# Altium PCB AMS_Remote_Module_A1.PcbDoc (part 1 of 3) (continued)
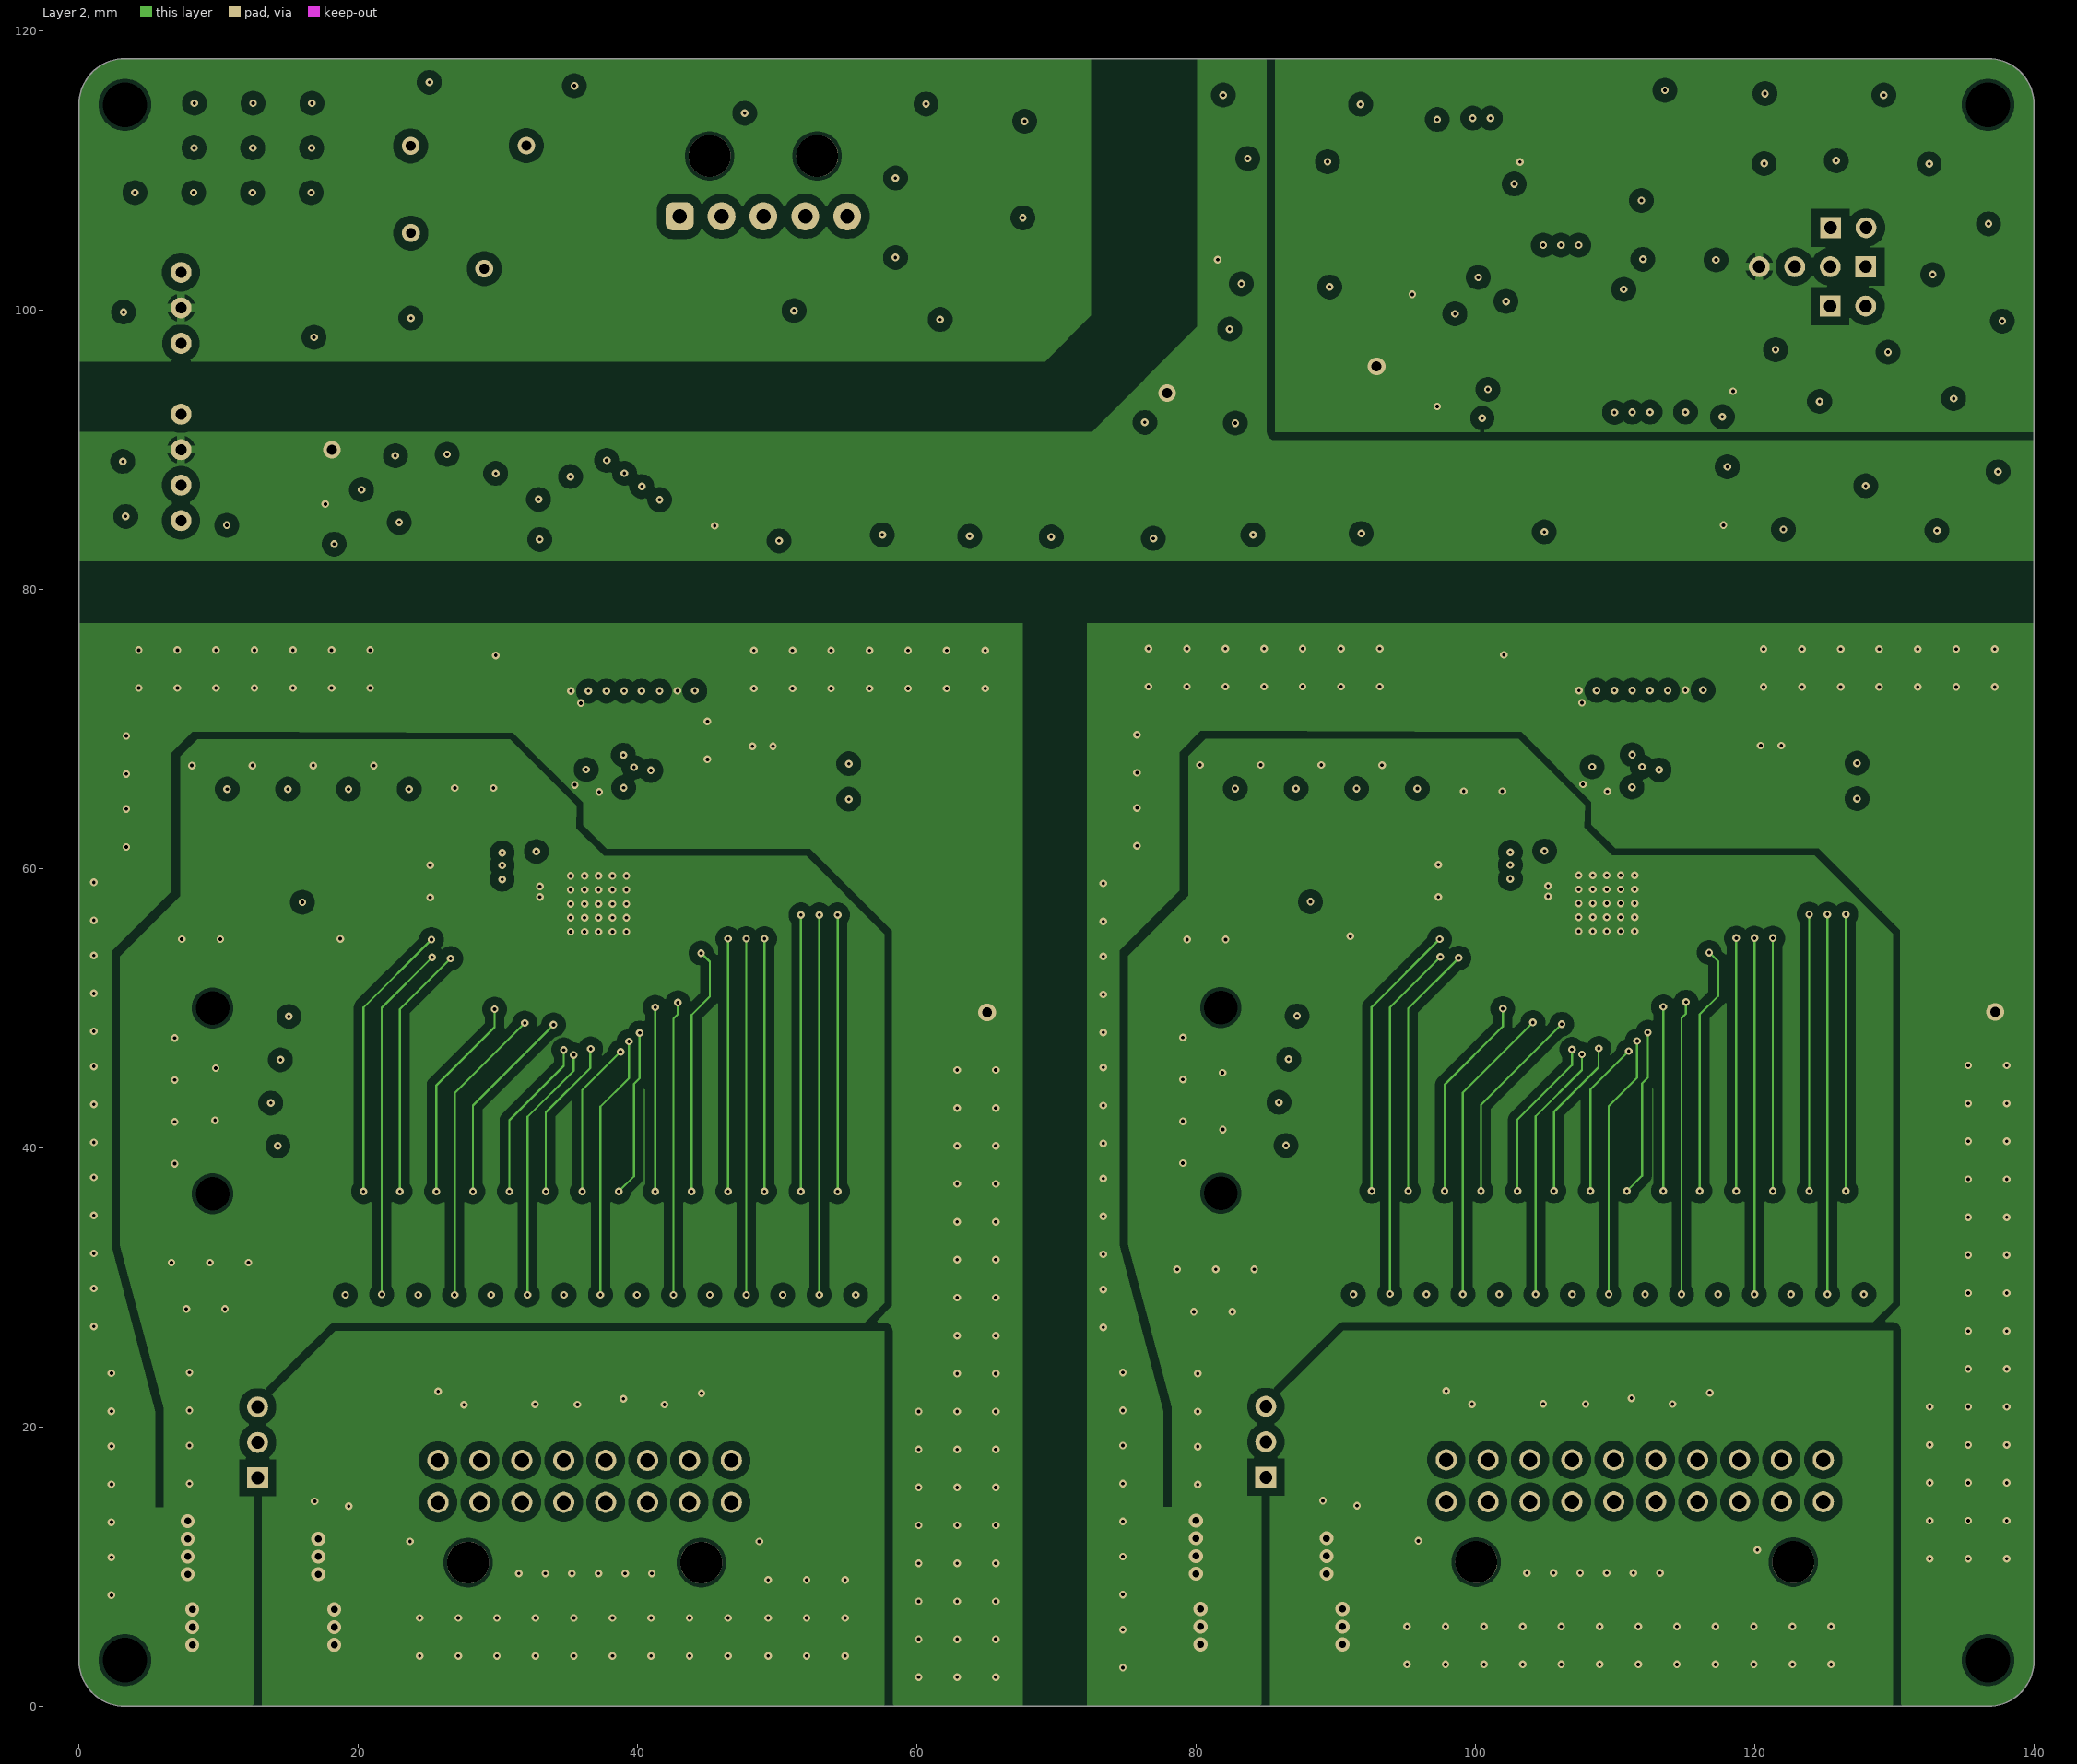
[diagram p3: Layer 2]
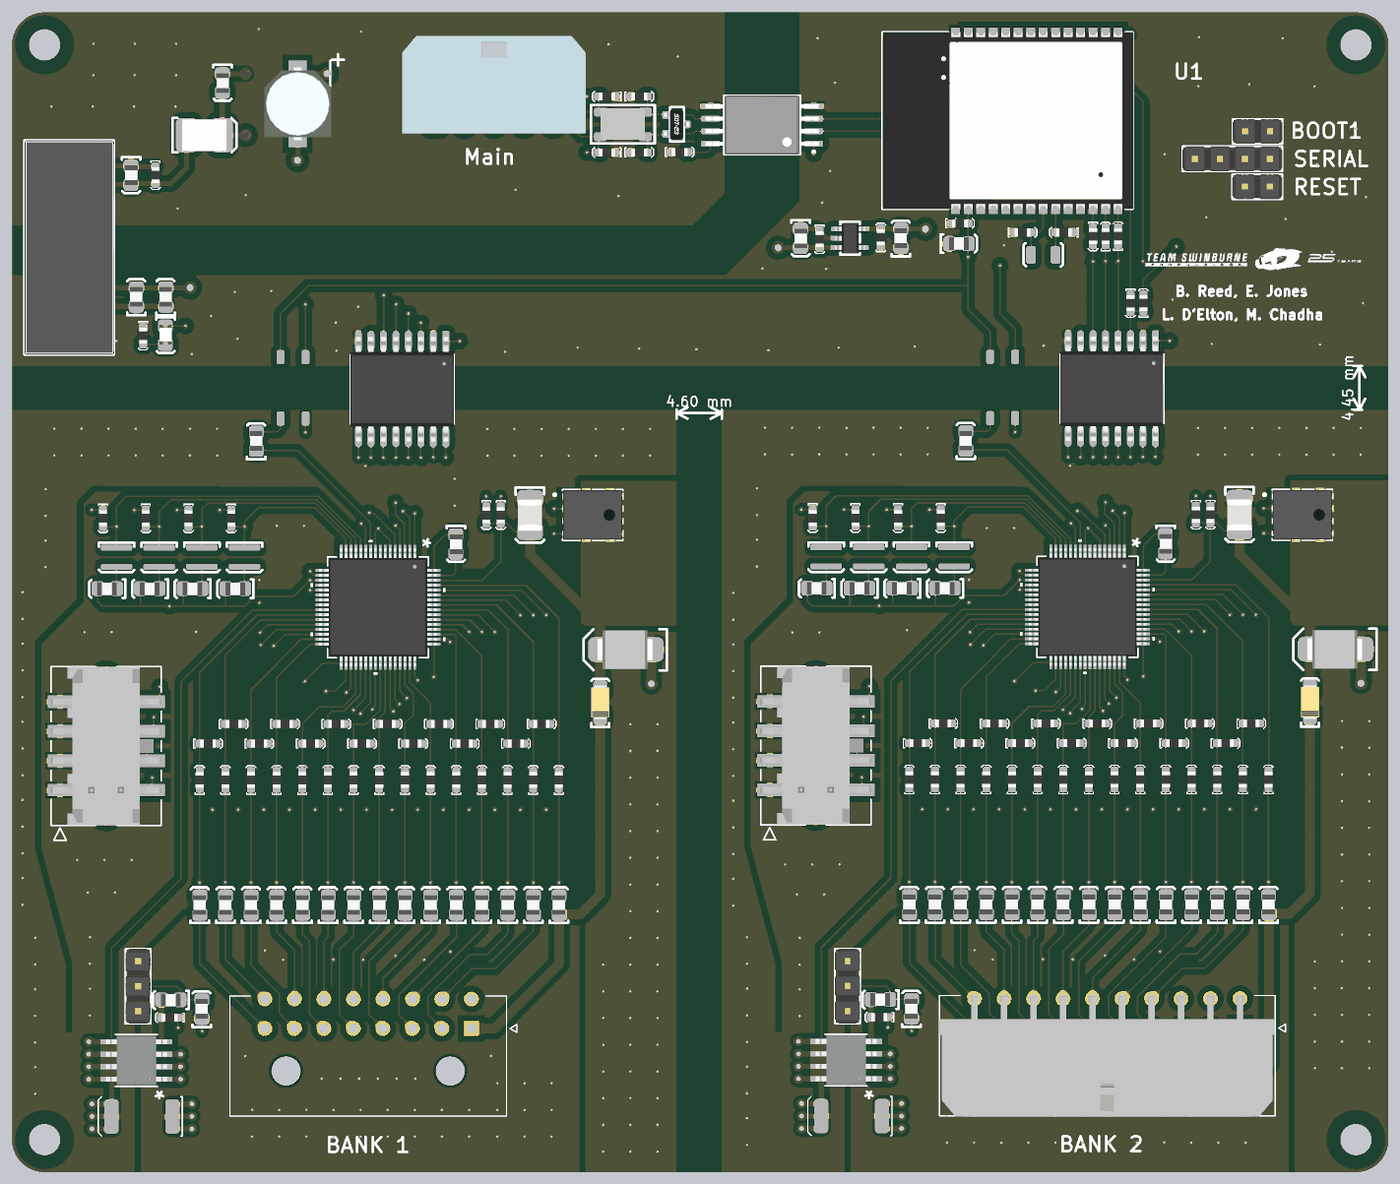
[diagram p6: 3D render of the assembled board from above, using the file's embedded part models]
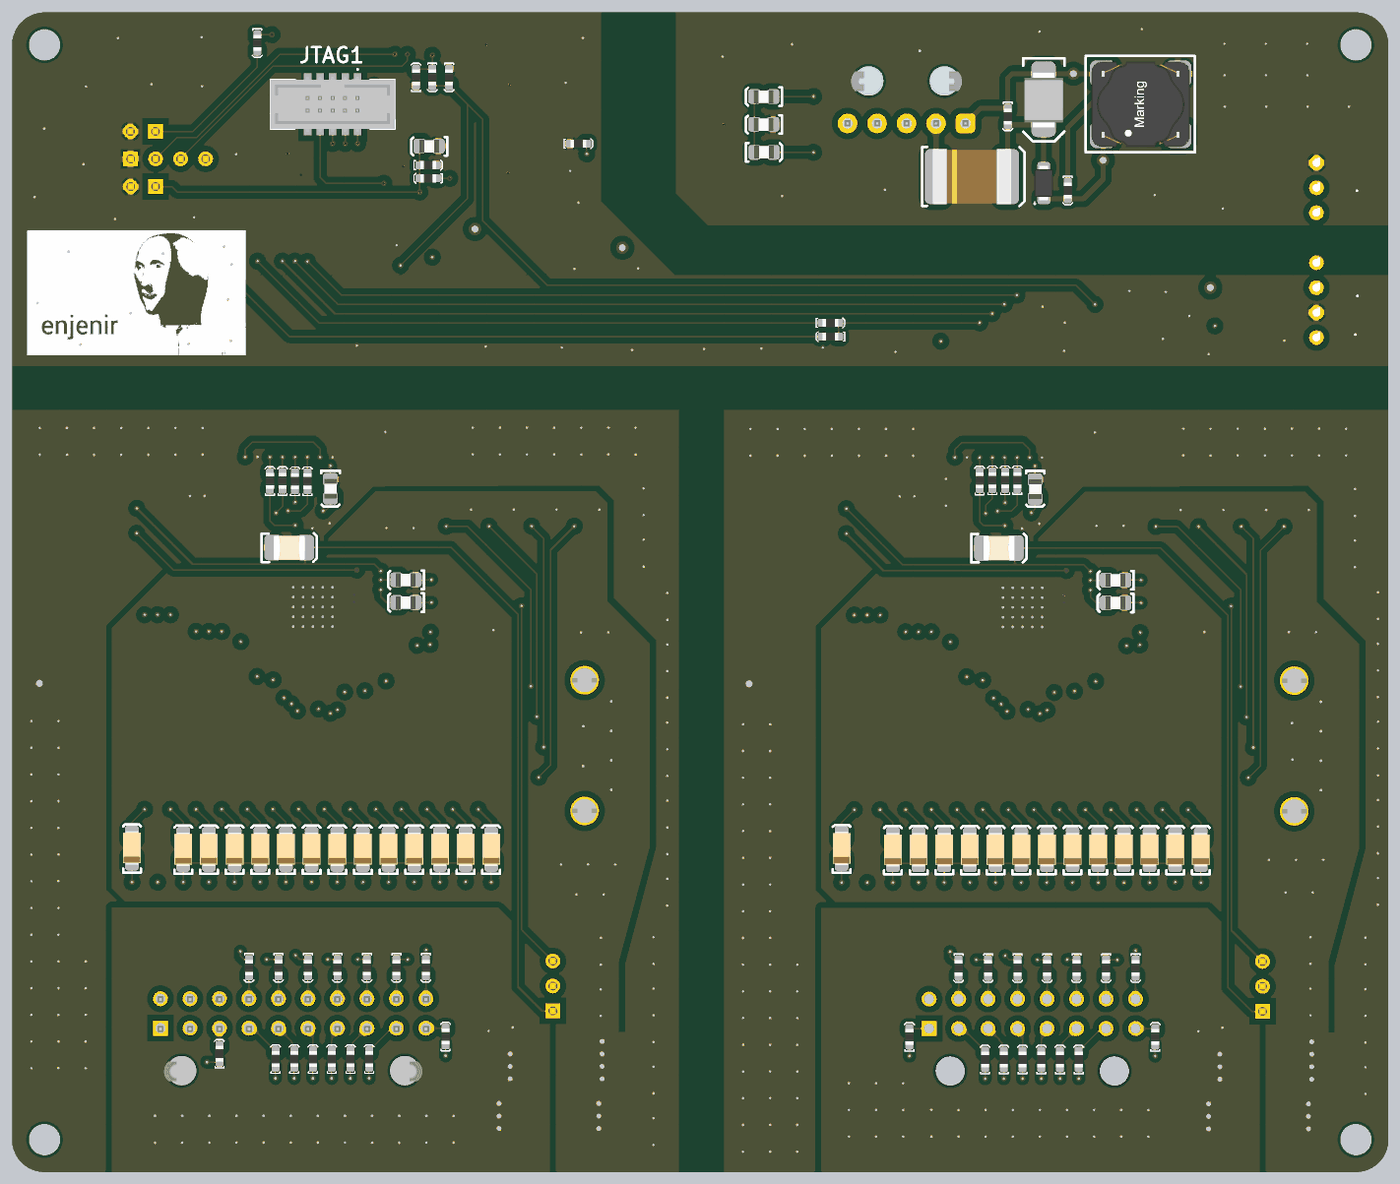
[diagram p7: 3D render of the assembled board from below, using the file's embedded part models]

## Layer stack, top to bottom
Top Solder: solder mask 0.0102, Solder Resist, Dk 3.5
Top Layer: signal copper 0.0356
Dielectric 2: prepreg 0.0711, PP-006, Dk 4.1
Layer 1: signal copper 0.035
Dielectric 1: dielectric 0.32, FR-4, Dk 4.8
Layer 2: signal copper 0.035
Dielectric 3: prepreg 0.0711, PP-006, Dk 4.1
Bottom Layer: signal copper 0.0356
Bottom Solder: solder mask 0.0102, Solder Resist, Dk 3.5

## Board outline
0,3.3 0,114.7 cw(c3.3,114.7) 3.3,118 136.7,118 cw(c136.7,114.7) 140,114.7 140,3.3 cw(c136.7,3.3) 136.7,0 3.3,0 cw(c3.3,3.3)

## Design rules (kind name [scope] priority, off if disabled: settings)
Clearance [All] p1: gap=0.254 ignorepadtopadclearanceinfootprint=FALSE except(0: Arc-Hole Track-Hole SMDPad-Hole THPad-Hole Via-Hole Fill-Hole Region-Hole Text-Hole; 0.1: THPad-THPad; 0.152: Arc-SMDPad Track-SMDPad SMDPad-SMDPad; 0.2: Arc-THPad Track-THPad SMDPad-THPad THPad-Via; 0.203: Arc-Arc Arc-Track Arc-Region Track-Track Track-Region SMDPad-Region THPad-Region Via-Region Fill-Region Poly-Region Region-Region; 0.6: Arc-Poly Track-Poly SMDPad-Poly THPad-Poly Via-Poly Fill-Poly Poly-Poly)
DiffPairsRouting [All] p1: maxlimit=0.22 minlimit=0.22 mostfreqgap=0.22 toplayer_minwidth=0.152 toplayer_maxwidth=0.33 toplayer_prefwidth=0.152 midlayer1_minwidth=0.152 midlayer1_maxwidth=0.33 midlayer1_prefwidth=0.152 midlayer2_minwidth=0.152 midlayer2_maxwidth=0.33 midlayer2_prefwidth=0.152 bottomlayer_minwidth=0.152 bottomlayer_maxwidth=0.33 bottomlayer_prefwidth=0.152 maxuncoupledlength=12.7
Height [All] p1: minheight=0 maxheight=50 prefheight=12.7
HoleSize [All] p1: absolutevalues=TRUE maxlimit=10 minlimit=0.025 maxpercent=80.000 minpercent=20.000
MinimumSolderMaskSliver [All] p1 off: minsoldermaskwidth=0.254
NetAntennae [All] p1 off: netantennaetolerance=0
PlaneClearance [All] p1: clearance=0.4
PlaneConnect [All] p1: pad.planeconnectstyle=Relief pad.reliefexpansion=0.508 pad.reliefentries=4 pad.reliefconductorwidth=0.8 pad.reliefairgap=0.254 via.planeconnectstyle=Direct via.reliefexpansion=0.508 via.reliefentries=4 via.reliefconductorwidth=0.8 via.reliefairgap=0.254
PolygonConnect PolygonConnect_1 [InNet('VBAT_U_L9963E2') vs HasFootprint('TRANS_STL60P4LLF6')] p1: connectstyle=Direct reliefconductorwidth=0.6 reliefentries=4 polygonreliefangle="90 Angle" airgapwidth=0.254
PolygonConnect PolygonConnect_2 [InNet('VBAT_U_L9963E1') vs HasFootprint('TRANS_STL60P4LLF6')] p2: connectstyle=Direct reliefconductorwidth=0.6 reliefentries=4 polygonreliefangle="90 Angle" airgapwidth=0.254
PolygonConnect [All] p3: thpad.connectstyle=Relief thpad.reliefconductorwidth=0.6 thpad.reliefentries=4 thpad.polygonreliefangle="90 Angle" thpad.airgapwidth=0.254 smdpad.connectstyle=Relief smdpad.reliefconductorwidth=0.6 smdpad.reliefentries=4 smdpad.polygonreliefangle="90 Angle" smdpad.airgapwidth=0.254 via.connectstyle=Direct via.reliefconductorwidth=0.6 via.reliefentries=4 via.polygonreliefangle="90 Angle" via.airgapwidth=0.254
RoutingVias [All] p1: holewidth=0.25 width=0.55 viastyle="Through Hole" minholewidth=0.203 minwidth=0.254 maxholewidth=0.711 maxwidth=1.27
SilkToSilkClearance [All] p1 off: silktosilkclearance=0.254
SilkToSolderMaskClearance [IsPad] p1 off: minsilkscreentomaskgap=0.254 clearancetoexposedcopper=TRUE
SolderMaskExpansion [All] p1: expansion=0.051 istentingtop=FALSE
SupplyNets "Schematic Supply Nets_4" [InNet('5V (ISO)')] p1: voltage=0.000
SupplyNets "Schematic Supply Nets_3" [InNet('0V')] p2: voltage=0.000
SupplyNets "Schematic Supply Nets_2" [InNet('5V')] p3: voltage=0.000
SupplyNets "Schematic Supply Nets_1" [InNet('0V (ISO)')] p4: voltage=0.000
SupplyNets "Schematic Supply Nets" [InNet('3V3 (ISO)')] p5: voltage=0.000
Width [All] p1: maxlimit=3 minlimit=0.127 preferedwidth=0.152 minimp=50.000000 maximp=50.000000 favimp=50.000000
21 further rules are at their usual default settings.

## Classes and differential pairs
component class U_Power: C65 C66 C67 C68 C69 C70 C71 C72 C74 C75 C76 C77 D2 D3 D4 F1 L1 R69 U8 U11 U12 U14
channel class L9963E: U_L9963E1 U_L9963E2
component class U_Microcontroller: BOOT1 C1 C2 C3 C4 C5 C6 C7 "Header 1x2" JTAG1 P1 R1 R2 R3 R4 R26 R32 R48 R67 R68 R70 R71 S1 U1 X1
component class U_L9963E2: *1_U_L9963E2 C8_U_L9963E2 C9_U_L9963E2 C11_U_L9963E2 C12_U_L9963E2 C13_U_L9963E2 C14_U_L9963E2 C15_U_L9963E2 C16_U_L9963E2 C17_U_L9963E2 C18_U_L9963E2 C19_U_L9963E2 C20_U_L9963E2 C21_U_L9963E2 C22_U_L9963E2 C23_U_L9963E2 C24_U_L9963E2 C25_U_L9963E2 C26_U_L9963E2 C27_U_L9963E2 C28_U_L9963E2 C29_U_L9963E2 C30_U_L9963E2 C31_U_L9963E2 C32_U_L9963E2 C33_U_L9963E2 C34_U_L9963E2 C35_U_L9963E2 C36_U_L9963E2 C37_U_L9963E2 C38_U_L9963E2 C39_U_L9963E2 C40_U_L9963E2 C41_U_L9963E2 C42_U_L9963E2 C43_U_L9963E2 C44_U_L9963E2 C45_U_L9963E2 C46_U_L9963E2 C47_U_L9963E2 C48_U_L9963E2 C49_U_L9963E2 C50_U_L9963E2 D1_U_L9963E2 J1_U_L9963E2 P2_U_L9963E2 Q1_U_L9963E2 R5_U_L9963E2 R6_U_L9963E2 R7_U_L9963E2 R8_U_L9963E2 R9_U_L9963E2 R10_U_L9963E2 R11_U_L9963E2 R12_U_L9963E2 R13_U_L9963E2 R14_U_L9963E2 R15_U_L9963E2 R16_U_L9963E2 R17_U_L9963E2 R18_U_L9963E2 R19_U_L9963E2 R20_U_L9963E2 R21_U_L9963E2 R22_U_L9963E2 R23_U_L9963E2 R24_U_L9963E2 R25_U_L9963E2 R27_U_L9963E2 R28_U_L9963E2 R29_U_L9963E2 R30_U_L9963E2 R31_U_L9963E2 R33_U_L9963E2 R34_U_L9963E2 R35_U_L9963E2 R36_U_L9963E2 R37_U_L9963E2 R38_U_L9963E2 R39_U_L9963E2 R40_U_L9963E2 R41_U_L9963E2 R42_U_L9963E2 R43_U_L9963E2 R44_U_L9963E2 R45_U_L9963E2 R46_U_L9963E2 R47_U_L9963E2 R49_U_L9963E2 R50_U_L9963E2 R51_U_L9963E2 R52_U_L9963E2 R53_U_L9963E2 R54_U_L9963E2 R55_U_L9963E2 R56_U_L9963E2 R57_U_L9963E2 R58_U_L9963E2 R59_U_L9963E2 R60_U_L9963E2 R61_U_L9963E2 R62_U_L9963E2 R63_U_L9963E2 R64_U_L9963E2 R72_U_L9963E2 R73_U_L9963E2 R74_U_L9963E2 R75_U_L9963E2 U2_U_L9963E2 U3_U_L9963E2 U4_U_L9963E2
component class U_L9963E1: *1_U_L9963E1 C8_U_L9963E1 C9_U_L9963E1 C11_U_L9963E1 C12_U_L9963E1 C13_U_L9963E1 C14_U_L9963E1 C15_U_L9963E1 C16_U_L9963E1 C17_U_L9963E1 C18_U_L9963E1 C19_U_L9963E1 C20_U_L9963E1 C21_U_L9963E1 C22_U_L9963E1 C23_U_L9963E1 C24_U_L9963E1 C25_U_L9963E1 C26_U_L9963E1 C27_U_L9963E1 C28_U_L9963E1 C29_U_L9963E1 C30_U_L9963E1 C31_U_L9963E1 C32_U_L9963E1 C33_U_L9963E1 C34_U_L9963E1 C35_U_L9963E1 C36_U_L9963E1 C37_U_L9963E1 C38_U_L9963E1 C39_U_L9963E1 C40_U_L9963E1 C41_U_L9963E1 C42_U_L9963E1 C43_U_L9963E1 C44_U_L9963E1 C45_U_L9963E1 C46_U_L9963E1 C47_U_L9963E1 C48_U_L9963E1 C49_U_L9963E1 C50_U_L9963E1 D1_U_L9963E1 J1_U_L9963E1 P2_U_L9963E1 Q1_U_L9963E1 R5_U_L9963E1 R6_U_L9963E1 R7_U_L9963E1 R8_U_L9963E1 R9_U_L9963E1 R10_U_L9963E1 R11_U_L9963E1 R12_U_L9963E1 R13_U_L9963E1 R14_U_L9963E1 R15_U_L9963E1 R16_U_L9963E1 R17_U_L9963E1 R18_U_L9963E1 R19_U_L9963E1 R20_U_L9963E1 R21_U_L9963E1 R22_U_L9963E1 R23_U_L9963E1 R24_U_L9963E1 R25_U_L9963E1 R27_U_L9963E1 R28_U_L9963E1 R29_U_L9963E1 R30_U_L9963E1 R31_U_L9963E1 R33_U_L9963E1 R34_U_L9963E1 R35_U_L9963E1 R36_U_L9963E1 R37_U_L9963E1 R38_U_L9963E1 R39_U_L9963E1 R40_U_L9963E1 R41_U_L9963E1 R42_U_L9963E1 R43_U_L9963E1 R44_U_L9963E1 R45_U_L9963E1 R46_U_L9963E1 R47_U_L9963E1 R49_U_L9963E1 R50_U_L9963E1 R51_U_L9963E1 R52_U_L9963E1 R53_U_L9963E1 R54_U_L9963E1 R55_U_L9963E1 R56_U_L9963E1 R57_U_L9963E1 R58_U_L9963E1 R59_U_L9963E1 R60_U_L9963E1 R61_U_L9963E1 R62_U_L9963E1 R63_U_L9963E1 R64_U_L9963E1 R72_U_L9963E1 R73_U_L9963E1 R74_U_L9963E1 R75_U_L9963E1 U2_U_L9963E1 U3_U_L9963E1 U4_U_L9963E1
component class U_CAN: C51 C52 C53 C54 C55 C56 C57 R65 R66 U5 U6 U7
component class "Top Level": "BANK 1" "BANK 2" Main
differential pair CAN1F: +CAN1F_P -CAN1F_N

## Components (designator, comment, footprint, x,y, rotation, side; value= is the part's Value field where it differs from the comment)
*1_U_L9963E1 "ADUM5401" "AD 16-SOIC" 110.592,79.705 r180 top (schematic designator *1)
*1_U_L9963E2 "ADUM5401" "AD 16-SOIC" 38.405,79.668 r180 top (schematic designator *1)
"BANK 1" "430451601" 430451601 46.719,14.605 r0 top
"BANK 2" "430452001" 430452001 124.906,14.643 r0 top
BOOT1 "2.54mm" "TH 2.54mm Header 1x2" 125.425,105.893 r0 top
C1 "100nF" 0603 95.557,96.545 r0 top
C2 "22uF" 0805 96.319,94.488 r0 top
C3 "100nF" 0603 98.527,102.464 r180 bottom
C4 "22pF" 0603 101.939,95.609 r0 top
C5 "22pF" 0603 107.839,95.609 r180 top
C6 "1µF" 0805 97.589,104.369 r0 bottom
C7 "100pF" 0603 98.908,110.543 r90 bottom
C8_U_L9963E1 "2.2uF" 1210 124.866,65.707 r270 top (schematic designator C8)
C8_U_L9963E2 "2.2uF" 1210 52.68,65.669 r270 top (schematic designator C8)
C9_U_L9963E1 "33nF" 0603 120.421,67.742 r270 top (schematic designator C9)
C9_U_L9963E2 "33nF" 0603 48.235,67.704 r270 top (schematic designator C9)
C11_U_L9963E1 "2.2uF" 0805 107.594,69.52 r270 bottom (schematic designator C11)
C11_U_L9963E2 "2.2uF" 0805 35.916,69.494 r270 bottom (schematic designator C11)
C12_U_L9963E1 "2.2uF" 0805 99.951,57.937 r0 bottom (schematic designator C12)
C12_U_L9963E2 "2.2uF" 0805 27.765,57.9 r0 bottom (schematic designator C12)
C13_U_L9963E1 "4.7uF" 1210 110.626,63.538 r180 bottom (schematic designator C13)
C13_U_L9963E2 "4.7uF" 1210 38.44,63.5 r180 bottom (schematic designator C13)
C14_U_L9963E1 "2.2uF" 0805 99.951,60.249 r0 bottom (schematic designator C14)
C14_U_L9963E2 "2.2uF" 0805 27.765,60.211 r0 bottom (schematic designator C14)
C15_U_L9963E1 "100nF" 0603 121.895,67.742 r270 top (schematic designator C15)
C15_U_L9963E2 "100nF" 0603 49.708,67.704 r270 top (schematic designator C15)
C16_U_L9963E1 "47nF" 0603 118.906,11.193 r90 bottom (schematic designator C16)
C16_U_L9963E2 "47nF" 0603 48.719,12.905 r90 bottom (schematic designator C16)
C17_U_L9963E1 "10nF" 0603 125.202,45.638 r0 top (schematic designator C17)
C17_U_L9963E2 "10nF" 0603 53.015,45.6 r0 top (schematic designator C17)
C18_U_L9963E1 "47nF" 0603 115.906,21.643 r270 bottom (schematic designator C18)
C18_U_L9963E2 "47nF" 0603 43.719,21.605 r270 bottom (schematic designator C18)
C19_U_L9963E1 "10nF" 0603 122.588,43.638 r0 top (schematic designator C19)
C19_U_L9963E2 "10nF" 0603 50.401,43.6 r0 top (schematic designator C19)
C20_U_L9963E1 "47nF" 0603 113.208,10.643 r90 bottom (schematic designator C20)
C20_U_L9963E2 "47nF" 0603 41.021,10.605 r90 bottom (schematic designator C20)
C21_U_L9963E1 "10nF" 0603 119.977,45.638 r0 top (schematic designator C21)
C21_U_L9963E2 "10nF" 0603 47.791,45.6 r0 top (schematic designator C21)
C22_U_L9963E1 "47nF" 0603 112.906,21.643 r270 bottom (schematic designator C22)
C22_U_L9963E2 "47nF" 0603 40.719,21.605 r270 bottom (schematic designator C22)
C23_U_L9963E1 "10nF" 0603 117.367,43.638 r0 top (schematic designator C23)
C23_U_L9963E2 "10nF" 0603 45.18,43.6 r0 top (schematic designator C23)
C24_U_L9963E1 "1µF" 0805 117.348,63.927 r270 top (schematic designator C24)
C24_U_L9963E2 "1µF" 0805 45.161,63.889 r270 top (schematic designator C24)
C25_U_L9963E1 "47nF" 0603 111.303,10.643 r90 bottom (schematic designator C25)
C25_U_L9963E2 "47nF" 0603 39.116,10.605 r90 bottom (schematic designator C25)
C26_U_L9963E1 "10nF" 0603 114.757,45.638 r0 top (schematic designator C26)
C26_U_L9963E2 "10nF" 0603 42.57,45.6 r0 top (schematic designator C26)
C27_U_L9963E1 "47nF" 0603 109.906,21.643 r270 bottom (schematic designator C27)
C27_U_L9963E2 "47nF" 0603 37.719,21.605 r270 bottom (schematic designator C27)
C28_U_L9963E1 "10nF" 0603 112.146,43.638 r0 top (schematic designator C28)
C28_U_L9963E2 "10nF" 0603 39.959,43.6 r0 top (schematic designator C28)
C29_U_L9963E1 "47nF" 0603 109.398,10.643 r90 bottom (schematic designator C29)
C29_U_L9963E2 "47nF" 0603 37.211,10.605 r90 bottom (schematic designator C29)
C30_U_L9963E1 "10nF" 0603 109.536,45.638 r0 top (schematic designator C30)
C30_U_L9963E2 "10nF" 0603 37.349,45.6 r0 top (schematic designator C30)
C31_U_L9963E1 "47nF" 0603 106.906,21.643 r270 bottom (schematic designator C31)
C31_U_L9963E2 "47nF" 0603 34.719,21.605 r270 bottom (schematic designator C31)
C32_U_L9963E1 "10nF" 0603 106.925,43.638 r0 top (schematic designator C32)
C32_U_L9963E2 "10nF" 0603 34.738,43.6 r0 top (schematic designator C32)
C33_U_L9963E1 "47nF" 0603 107.493,10.643 r90 bottom (schematic designator C33)
C33_U_L9963E2 "47nF" 0603 35.306,10.605 r90 bottom (schematic designator C33)
C34_U_L9963E1 "10nF" 0603 104.315,45.638 r0 top (schematic designator C34)
C34_U_L9963E2 "10nF" 0603 32.128,45.6 r0 top (schematic designator C34)
C35_U_L9963E1 "47nF" 0603 103.906,21.643 r270 bottom (schematic designator C35)
C35_U_L9963E2 "47nF" 0603 31.719,21.605 r270 bottom (schematic designator C35)
C36_U_L9963E1 "10nF" 0603 101.704,43.638 r0 top (schematic designator C36)
C36_U_L9963E2 "10nF" 0603 29.518,43.6 r0 top (schematic designator C36)
C37_U_L9963E1 "100nF" 0603 81.441,67.41 r270 top (schematic designator C37)
C37_U_L9963E2 "100nF" 0603 9.254,67.372 r270 top (schematic designator C37)
C38_U_L9963E1 "100nF" 0603 85.784,67.41 r270 top (schematic designator C38)
C38_U_L9963E2 "100nF" 0603 13.597,67.372 r270 top (schematic designator C38)
C39_U_L9963E1 "100nF" 0603 90.127,67.41 r270 top (schematic designator C39)
C39_U_L9963E2 "100nF" 0603 17.941,67.372 r270 top (schematic designator C39)
C40_U_L9963E1 "100nF" 0603 94.471,67.41 r270 top (schematic designator C40)
C40_U_L9963E2 "100nF" 0603 22.284,67.372 r270 top (schematic designator C40)
C41_U_L9963E1 "47nF" 0603 105.588,10.643 r90 bottom (schematic designator C41)
C41_U_L9963E2 "47nF" 0603 33.401,10.605 r90 bottom (schematic designator C41)
C42_U_L9963E1 "10nF" 0603 99.094,45.638 r0 top (schematic designator C42)
C42_U_L9963E2 "10nF" 0603 26.907,45.6 r0 top (schematic designator C42)
C43_U_L9963E1 "47nF" 0603 100.906,21.643 r270 bottom (schematic designator C43)
C43_U_L9963E2 "47nF" 0603 28.719,21.605 r270 bottom (schematic designator C43)
C44_U_L9963E1 "10nF" 0603 96.484,43.638 r0 top (schematic designator C44)
C44_U_L9963E2 "10nF" 0603 24.297,43.6 r0 top (schematic designator C44)
C45_U_L9963E1 "47nF" 0603 103.683,10.643 r90 bottom (schematic designator C45)
C45_U_L9963E2 "47nF" 0603 31.496,10.605 r90 bottom (schematic designator C45)
C46_U_L9963E1 "10nF" 0603 93.873,45.638 r0 top (schematic designator C46)
C46_U_L9963E2 "10nF" 0603 21.686,45.6 r0 top (schematic designator C46)
C47_U_L9963E1 "4.7nF" 0603 89.076,15.76 r180 top (schematic designator C47)
C47_U_L9963E2 "4.7nF" 0603 16.889,15.723 r180 top (schematic designator C47)
C48_U_L9963E1 "47nF" 0603 97.906,21.643 r270 bottom (schematic designator C48)
C48_U_L9963E2 "47nF" 0603 25.719,21.605 r270 bottom (schematic designator C48)
C49_U_L9963E1 "10nF" 0603 91.263,43.638 r0 top (schematic designator C49)
C49_U_L9963E2 "10nF" 0603 19.076,43.6 r0 top (schematic designator C49)
C50_U_L9963E1 "47nF" 0603 95.906,12.943 r90 bottom (schematic designator C50)
C50_U_L9963E2 "47nF" 0603 23.719,12.905 r90 bottom (schematic designator C50)
C51 "100nF" 0603 67.056,103.784 r0 top
C52 "100nF" 0603 83.244,104.648 r180 bottom
C53 "22uF" 0805 63.551,106.593 r0 bottom
C54 "100pF" 0603 61.343,103.759 r180 top
C55 "100pF" 0603 61.343,109.449 r180 top
C56 "100pF" 0603 62.943,109.449 r0 top
C57 "100pF" 0603 62.943,103.759 r0 top
C65 "22uF" 0805 12.624,89.054 r90 top
C66 "1µF" 0805 15.6,89.054 r90 top
C67 "10uF" 0805 21.416,110.807 r270 top
C68 "10uF" 0805 12.116,101.422 r270 top
C69 "100nF" 0603 14.58,102.296 r270 top
C70 "100nF" 0603 38.716,108.269 r270 bottom
C71 "100nF" 0603 32.614,100.735 r270 bottom
C72 "47uF" "CHEMI-CON ELCO" 29.058,108.695 r270 top
C74 "1µF" 0805 80.223,95.003 r270 top
C75 "100nF" 0603 82.144,95.765 r270 top
C76 "1µF" 0805 90.399,95.027 r90 top
C77 "100nF" 0603 88.367,94.265 r90 top
D1_U_L9963E1 "SMA6T68AY" "ST SMB DIODE" 134.62,53.213 r0 top (schematic designator D1)
D1_U_L9963E2 "SMA6T68AY" "ST SMB DIODE" 62.433,53.175 r0 top (schematic designator D1)
D2 "PMEG100T10ELR-QX" "NXP SOD123W" 35.052,100.635 r90 bottom
D3 "Orange" "0805 LED" 15.621,85.141 r270 top
D4 "SM6T36CAY" "ST SMB DIODE" 35.072,109.169 r90 bottom
F1 "0ZCF0100AF2A" 2920 46.016,101.298 r180 bottom
"Header 1x2" "2.54mm" "TH 2.54mm Header 1x2" 125.4,100.279 r0 top
J1_U_L9963E1 "430450815" 430450815 81.763,43.395 r270 top (schematic designator J1)
J1_U_L9963E2 "430450815" 430450815 9.576,43.358 r270 top (schematic designator J1)
JTAG1 "1.27mm" 3221-10-0300-00 107.391,108.655 r0 bottom
L1 "12uH" 1812 19.558,105.512 r0 top
Main "436500500" 436500500 43.016,106.706 r180 top
P1 "2.54mm" "TH 2.54mm Header 1x4" 127.94,103.099 r180 top